# Altium PCB Edison_arduino_5_0826.PcbDoc (part 3 of 6)
Units mm, origin at the board's own origin, x right, y up, seen from the top; angles counter-clockwise.
Board outline 122.25 x 72.01 mm, 4 copper layers (TOP, GND, PWR_GND, BOTTOM), stack 1.567 mm thick; 365 components, 239 nets, 1187 pads, 660 vias.
Unrouted connection lines stored in the file: 40.
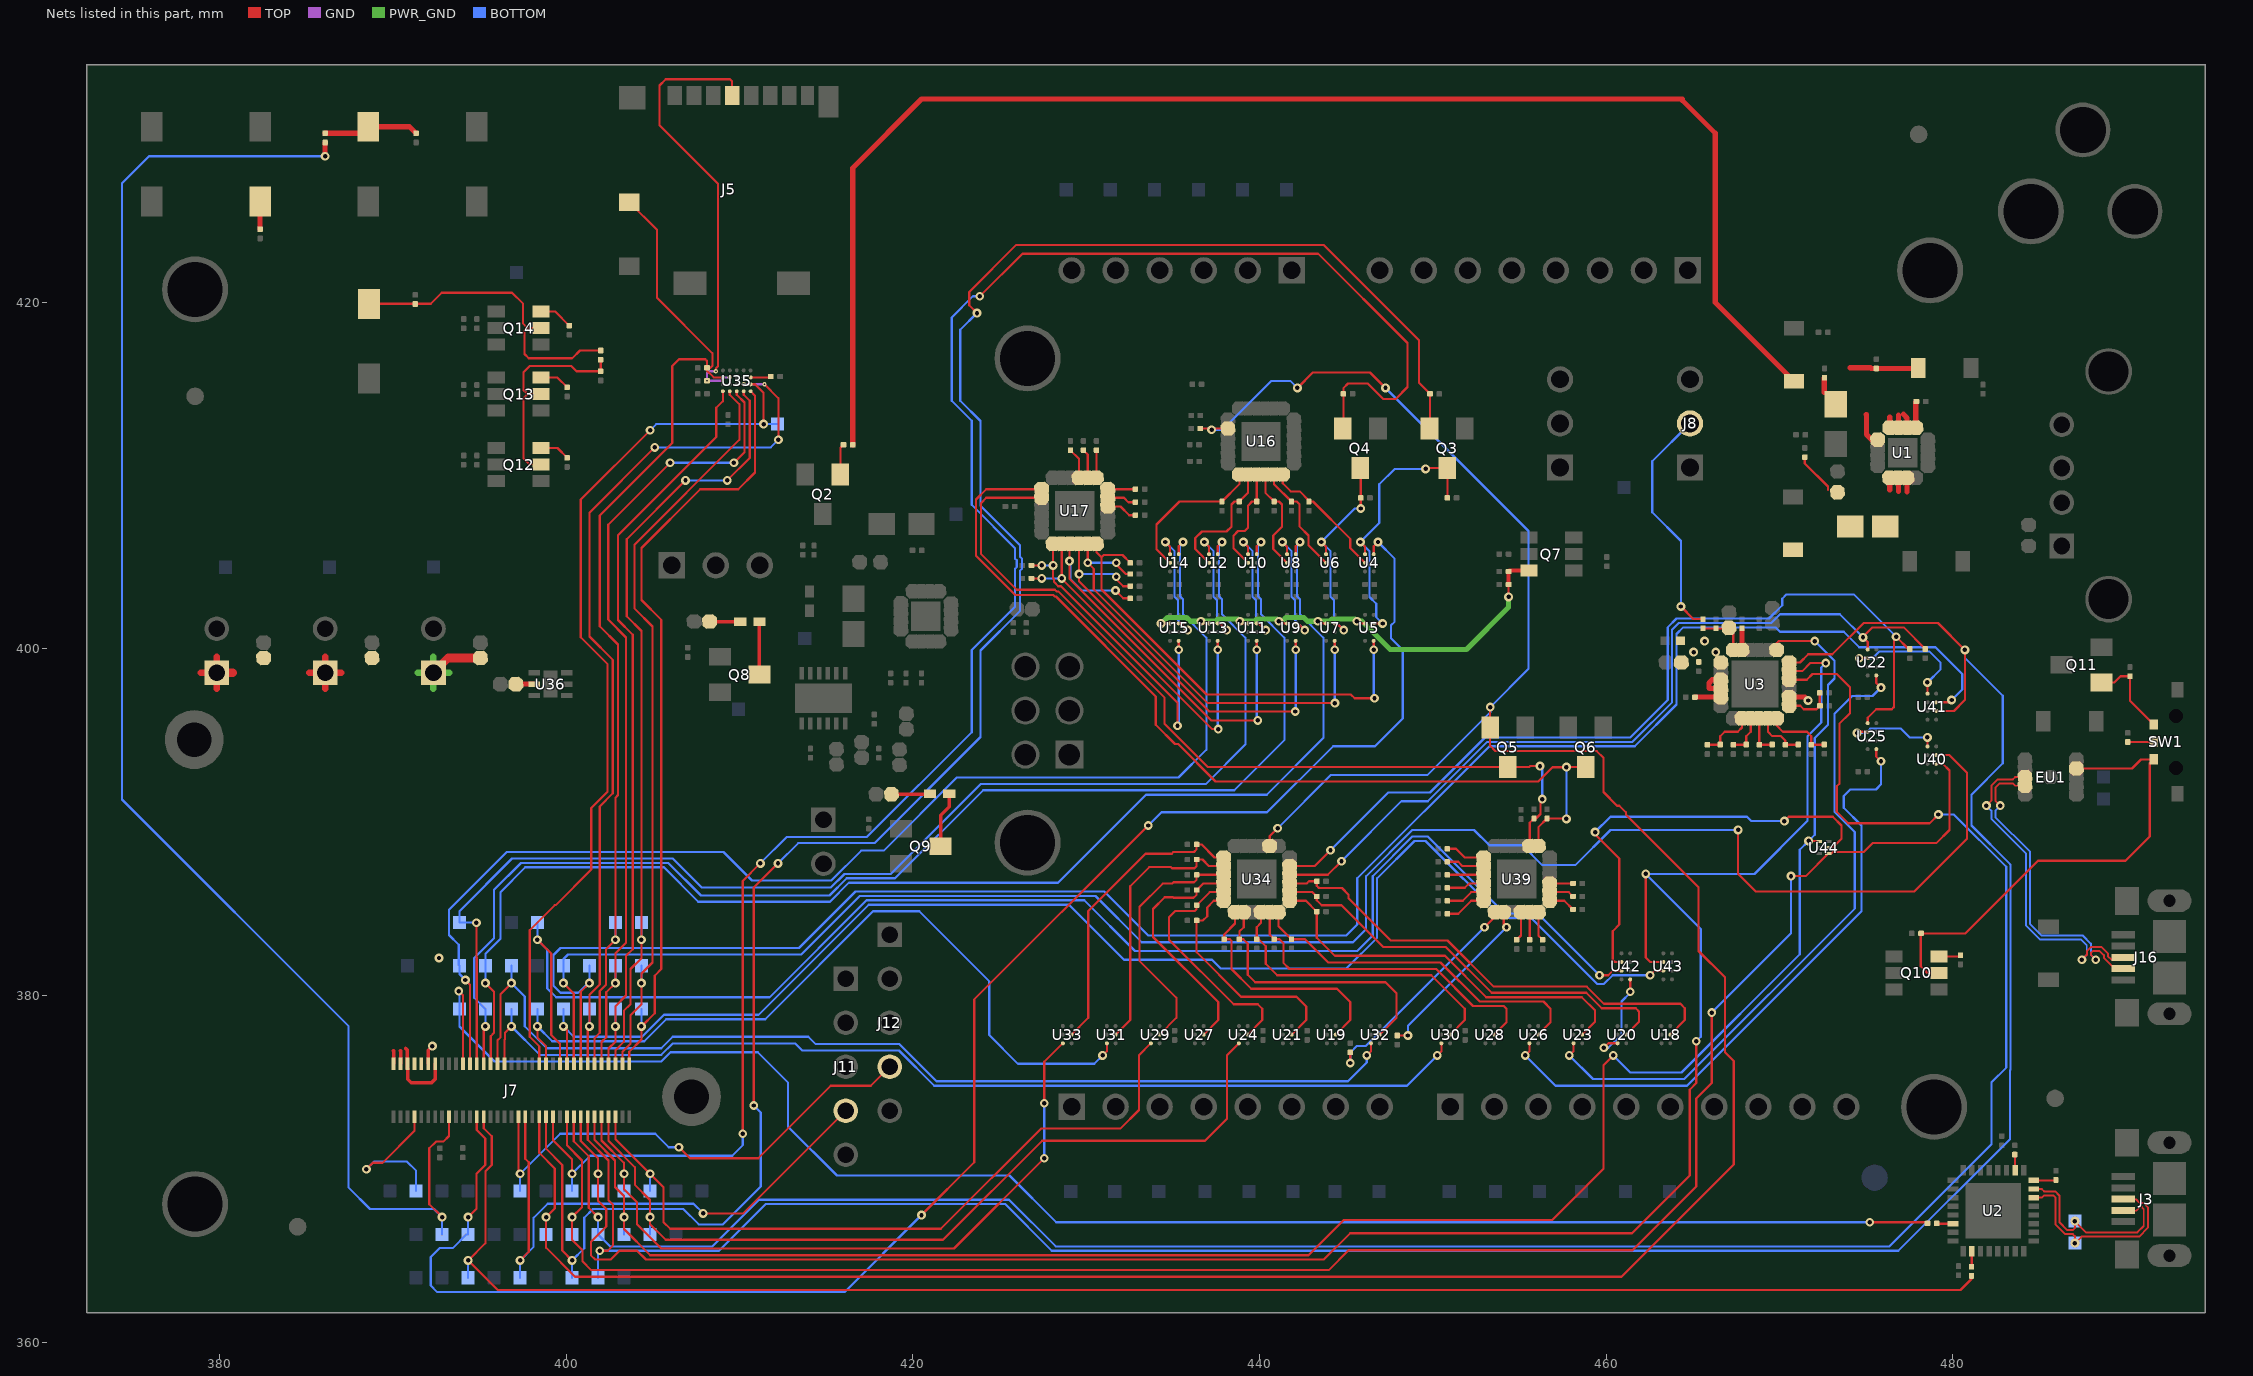
[diagram p5: the nets of this part, all layers, seen from the top]

## Via types
v1: diameter 0.508, hole 0.254, TOP to BOTTOM, 643 vias
v2: diameter 0.254, hole 0.102, TOP to GND, 11 vias
v3: diameter 0.66, hole 0.356, TOP to BOTTOM, 5 vias
v4: diameter 0.483, hole 0.203, TOP to BOTTOM, 1 vias

## Nets (pads, with @x,y where several pads share a name; then routed paths per layer and width w, separated by ;. In a path a pad name is that pad's centre, name@x,y a point inside that pad or via, vN(x,y) a via of type N, cw(c..) or ccw(c..) an arc to the next point about the centre after c; other vN are vias at no path point) (continued)
GP20: J7.43 Q5.2 R43.1 TP38.1 U16.20 U34.20 | length 169.8
  TOP w0.127: J7.43@398.439,373.015 398.439,370.927 399.339,370.027 399.339,367.721 v1(398.839,367.221) 398.839,365.447 400.506,363.78 460.885,363.78 467.362,370.257 467.362,376.226 466.854,376.734 466.854,381.052 465.33,382.576 465.33,386.259 461.139,390.45 461.139,390.577 460.758,390.958 460.631,390.958 459.842,391.747 459.842,393.725 459.461,394.106 453.619,394.106 453.307,394.418 Q5.2@453.307,395.471 453.307,396.516 453.31,396.519 v1(453.31,396.646) ; R43.1@436.589,412.721 437.163,412.721 v1(437.236,412.648) 437.309,412.721 U16.20@438.183,412.721 ; U34.20@440.589,388.627 440.589,389.204 v1(441.046,389.661) ; v1(442.189,415.061) 443.078,415.95 446.38,415.95 v1(447.269,415.061)
  BOTTOM w0.127: TP38.1@398.839,366.221 v1(398.839,367.221) ; v1(437.236,412.648) 437.871,412.648 440.692,415.469 441.781,415.469 v1(442.189,415.061) ; v1(441.046,389.661) 444.121,392.736 449.699,392.736 453.31,396.346 v1(453.31,396.646) 455.524,398.86 455.524,406.806 v1(447.269,415.061)
GP27: J7.45 Q3.2 R39.1 TP40.1 | length 121.9
  TOP w0.127: J7.45@398.839,373.015 398.839,371.162 399.771,370.23 399.771,365.289 v1(400.339,364.721) ; v1(410.82,373.659) 410.82,386.232 v1(412.217,387.629) ; v1(423.699,419.381) 423.25,419.83 423.25,420.598 425.968,423.316 443.687,423.316 449.199,417.805 449.199,415.361 R39.1@449.839,414.721 449.839,412.753 Q3.2@449.807,412.721
  BOTTOM w0.127: TP40.1@400.339,363.721 v1(400.339,364.721) 401.041,365.423 401.041,367.182 401.549,367.69 406.756,367.69 407.645,366.801 409.042,366.801 411.228,368.987 411.228,373.251 v1(410.82,373.659) ; v1(412.217,387.629) 413.387,388.799 417.781,388.799 423.901,394.919 423.901,399.915 426.188,402.203 426.188,402.321 426.189,402.322 426.189,404.522 426.289,404.622 426.289,405.222 426.189,405.322 426.189,405.922 426.188,405.924 426.188,405.973 423.901,408.261 423.901,413.159 422.739,414.321 422.739,418.421 v1(423.699,419.381)
GP28: J7.47 Q4.2 R40.1 TP42.1 | length 113.1
  TOP w0.127: J7.47@399.239,373.015 399.239,371.651 400.339,370.551 v1(400.339,369.721) ; v1(410.185,372.035) 410.185,386.613 v1(411.201,387.629) ; v1(423.864,420.346) 426.326,422.808 443.382,422.808 448.539,417.652 448.539,415.112 447.853,414.426 447.142,414.426 446.253,415.315 445.11,415.315 444.839,415.044 R40.1@444.839,414.721 444.839,412.753 Q4.2@444.807,412.721
  BOTTOM w0.127: TP42.1@400.339,368.721 v1(400.339,369.721) 401.383,370.766 409.577,370.766 410.185,371.373 v1(410.185,372.035) ; v1(411.201,387.629) 412.725,389.153 417.347,389.153 423.393,395.199 423.393,399.936 425.898,402.442 425.898,404.631 425.989,404.722 425.989,405.122 425.898,405.214 425.898,405.814 423.393,408.319 423.393,413.167 422.239,414.321 422.239,419.121 423.463,420.346 v1(423.864,420.346)
GP40: J7.52 TP44.1 U43.B2 | length 80.4
  TOP w0.127: v1(399.839,378.221) 400.039,378.021 J7.52@400.039,376.072 ; v1(462.536,381.179) 462.794,381.437 U43.B2@463.302,381.437
  BOTTOM w0.127: TP44.1@399.839,379.221 v1(399.839,378.221) 400.437,377.623 404.37,377.623 405.64,378.893 411.101,378.893 417.451,385.243 429.008,385.243 432.183,382.068 437.263,382.068 437.771,381.56 445.01,381.56 446.788,383.338 446.788,386.767 448.947,388.926 449.582,388.926 454.027,384.481 455.678,384.481 459.488,380.671 459.869,380.671 460.377,381.179 v1(462.536,381.179)
GP41: J7.54 TP46.1 U40.B2 | length 106.3
  TOP w0.127: v1(399.839,380.721) 400.439,380.121 J7.54@400.439,376.072 ; v1(467.616,389.561) 467.616,387.021 468.632,386.005 477.776,386.005 480.824,389.053 480.824,392.863 479.812,393.875 U40.B2@479.042,393.875
  BOTTOM w0.127: v1(399.839,380.721) TP46.1@399.839,381.721 399.839,382.109 400.101,382.372 413.563,382.372 416.943,385.751 430.532,385.751 433.199,383.084 445.391,383.084 446.153,383.846 446.153,386.894 448.82,389.561 452.376,389.561 453.265,388.672 455.17,388.672 456.313,387.529 458.218,387.529 460.25,389.561 v1(467.616,389.561)
GP42: J7.50 TP43.1 U42.B2 | length 85.6
  TOP w0.127: v1(398.339,383.221) 399.136,382.424 399.136,377.723 399.639,377.22 J7.50@399.639,376.072 ; v1(459.615,381.179) 460.123,381.179 460.381,381.437 U42.B2@460.889,381.437
  BOTTOM w0.127: TP43.1@398.339,384.221 v1(398.339,383.221) 398.91,382.65 398.91,380.416 399.417,379.909 411.736,379.909 417.324,385.497 429.897,385.497 432.818,382.576 445.645,382.576 446.534,383.465 446.534,386.894 448.82,389.18 449.709,389.18 454.154,384.735 456.059,384.735 v1(459.615,381.179)
GP43: J7.56 TP48.1 U41.B2 | length 109.1
  TOP w0.127: J7.56@400.839,376.072 400.839,380.222 v1(401.339,380.721) ; U41.B2@479.042,396.923 479.804,396.923 v1(479.935,397.054)
  BOTTOM w0.127: TP48.1@401.339,381.721 v1(401.339,380.721) 401.245,380.721 400.687,380.163 399.671,380.163 399.267,380.567 399.267,382.349 399.671,382.753 413.436,382.753 416.689,386.005 431.04,386.005 433.58,383.465 445.01,383.465 445.645,384.1 445.645,386.767 453.265,394.387 461.647,394.387 464.06,396.8 464.06,400.864 464.441,401.245 469.775,401.245 470.029,400.991 473.712,400.991 474.601,400.102 479.004,400.102 480.545,398.562 480.545,397.665 v1(479.935,397.054)
GP44: J7.24 TP22.1 U14.C1 | length 71.8
  TOP w0.127: v1(394.183,380.898) 394.439,380.642 J7.24@394.439,376.072 ; U14.C1@435.34,405.472 435.34,405.927 v1(435.585,406.171)
  BOTTOM w0.127: v1(394.183,380.898) 393.839,381.242 TP22.1@393.839,381.721 393.802,381.758 393.802,382.93 393.239,383.493 393.239,384.958 396.572,388.291 409.069,388.291 410.72,386.64 415.292,386.64 417.017,388.366 418.313,388.366 422.529,392.582 435.331,392.582 436.935,394.187 436.935,400.653 435.585,402.004 435.585,402.873 435.41,403.048 435.41,405.996 v1(435.585,406.171)
GP45: J7.26 TP24.1 U12.C1 | length 73.7
  TOP w0.127: v1(394.818,384.2) 394.818,382.242 394.839,382.221 J7.26@394.839,376.072 ; U12.C1@437.59,405.472 437.59,405.927 v1(437.835,406.171)
  BOTTOM w0.127: v1(394.818,384.2) 394.797,384.221 TP24.1@393.839,384.221 393.839,384.872 396.877,387.91 406.148,387.91 407.826,386.232 415.265,386.232 416.054,387.021 418.721,387.021 423.901,392.201 436.899,392.201 439.185,394.487 439.185,400.653 437.835,402.004 437.835,402.873 437.66,403.048 437.66,405.996 v1(437.835,406.171)
GP46: J7.28 TP26.1 U10.C1 | length 74.5
  TOP w0.127: J7.28@395.239,376.072 395.239,378.122 v1(395.339,378.221) ; U10.C1@439.84,405.472 439.84,405.927 v1(440.085,406.171)
  BOTTOM w0.127: v1(395.339,378.221) TP26.1@395.339,379.221 394.691,379.869 394.691,382.168 395.834,383.311 395.834,386.105 397.385,387.656 405.894,387.656 407.775,385.775 415.188,385.775 416.181,386.767 418.975,386.767 424.055,391.847 438.541,391.847 441.435,394.741 441.435,400.653 440.085,402.004 440.085,402.873 439.91,403.048 439.91,405.996 v1(440.085,406.171)
GP47: J7.30 TP28.1 U8.C1 | length 76.2
  TOP w0.127: v1(395.339,380.721) 395.834,380.226 395.834,377.85 395.639,377.656 J7.30@395.639,376.072 ; U8.C1@442.09,405.472 442.09,405.927 v1(442.335,406.171)
  BOTTOM w0.127: v1(395.339,380.721) TP28.1@395.339,381.721 395.339,382.422 396.215,383.298 396.215,385.978 397.639,387.402 405.64,387.402 407.622,385.42 415.214,385.42 416.308,386.513 428.373,386.513 433.453,391.593 440.412,391.593 443.685,394.866 443.685,400.653 442.335,402.004 442.335,402.873 442.16,403.048 442.16,405.996 v1(442.335,406.171)
GP48: J7.32 TP29.1 U32.C1 | length 60.9
  TOP w0.127: J7.32@396.039,376.072 396.039,377.421 396.215,377.596 396.215,380.097 v1(396.839,380.721) ; v1(446.188,376.549) 446.433,376.793 U32.C1@446.433,377.248
  BOTTOM w0.127: TP29.1@396.839,381.721 v1(396.839,380.721) 397.612,379.948 397.612,378.232 398.882,376.961 405.486,376.961 406.148,377.623 413.968,377.623 414.376,377.215 419.202,377.215 421.361,375.056 445.11,375.056 446.188,376.135 v1(446.188,376.549)
GP49: J7.34 TP31.1 U30.C1 | length 60.2
  TOP w0.127: J7.34@396.439,376.072 396.439,377.462 396.469,377.491 396.469,377.851 v1(396.839,378.221) ; v1(450.252,376.549) 450.497,376.793 U30.C1@450.497,377.248
  BOTTOM w0.127: TP31.1@396.839,379.221 v1(396.839,378.221) 398.48,376.58 405.486,376.58 406.148,377.242 413.206,377.242 413.614,376.834 419.202,376.834 421.234,374.802 448.506,374.802 v1(450.252,376.549)
GP77: J5.9 J7.60 R45.2 TP52.1 U35.A3 | length 59.6
  TOP w0.127: J7.60@401.639,376.072 401.639,377.56 401.93,377.85 401.93,380.263 402.302,380.636 402.302,382.685 v1(402.839,383.221) 402.839,391.422 402.989,391.572 402.989,400.26 401.939,401.31 401.939,407.705 406.121,411.886 406.121,416.331 406.502,416.712 408.026,416.712 408.122,416.616 R45.2@408.122,416.221 ; J5.9@403.637,425.778 405.232,424.183 405.232,420.268 408.432,417.068 408.432,416.331 408.322,416.221 R45.2@408.122,416.221 ; U35.A3@409.039,415.672 408.508,415.672 408.122,416.057 R45.2@408.122,416.221
  BOTTOM w0.127: v1(402.839,383.221) TP52.1@402.839,384.221
GP78: J7.58 TP50.1 U35.D2 | length 51.3
  TOP w0.127: J7.58@401.239,376.072 401.239,378.122 v1(401.339,378.221) 401.339,380.053 401.93,380.644 401.93,390.913 402.689,391.672 402.689,399.371 401.339,400.721 401.339,407.867 v1(405.105,411.632) ; v2(411.439,415.271) 412.239,414.471 v1(412.239,412.072)
  GND w0.127: v2(410.239,415.271) v2(411.439,415.271)
  BOTTOM w0.127: v1(401.339,378.221) TP50.1@401.339,379.221 ; v1(405.105,411.632) 411.799,411.632 v1(412.239,412.072)
GP79: J7.62 TP54.1 U35.C1 | length 46.4
  TOP w0.127: J7.62@402.039,376.072 402.039,377.325 402.311,377.596 402.311,380.193 v1(402.839,380.721) 402.839,382.442 403.454,383.057 403.454,400.666 402.422,401.698 402.422,407.171 v1(405.994,410.743) ; v1(409.677,410.743) 410.289,411.356 410.289,414.222 409.839,414.673 U35.C1@409.839,414.871
  BOTTOM w0.127: v1(402.839,380.721) TP54.1@402.839,381.721 ; v1(405.994,410.743) v1(409.677,410.743)
GP80: J7.66 TP58.1 U35.D1 | length 45.3
  TOP w0.127: J7.66@402.839,376.072 402.839,376.855 403.327,377.342 403.327,379.12 403.708,379.501 403.708,381.533 404.339,382.164 v1(404.339,383.221) 404.339,401.033 403.489,401.882 403.489,406.334 v1(406.883,409.727) ; v1(409.296,409.727) 410.589,411.021 410.589,414.322 410.239,414.673 U35.D1@410.239,414.871
  BOTTOM w0.127: v1(404.339,383.221) TP58.1@404.339,384.221 ; v1(406.883,409.727) v1(409.296,409.727)
GP81: J7.70 TP62.1 U35.E1 | length 45.1
  TOP w0.127: J7.70@403.639,376.072 403.639,376.766 404.343,377.469 404.343,378.217 v1(404.339,378.221) 405.105,378.987 405.105,381.152 405.486,381.533 405.486,401.678 404.339,402.825 404.339,405.822 407.736,409.219 409.931,409.219 410.893,410.182 410.893,414.617 U35.E1@410.639,414.871
  BOTTOM w0.127: v1(404.339,378.221) TP62.1@404.339,379.221
GP82: J7.64 TP56.1 U35.A1 | length 43.2
  TOP w0.127: J7.64@402.439,376.072 402.439,376.943 402.839,377.342 v1(402.839,378.221) 402.839,379.394 403.454,380.009 403.454,382.295 403.835,382.676 403.835,400.824 402.989,401.669 402.989,406.562 408.661,412.233 408.661,413.918 409.039,414.296 U35.A1@409.039,414.871
  BOTTOM w0.127: v1(402.839,378.221) TP56.1@402.839,379.221
GP83: J7.68 TP60.1 U35.B1 | length 43.7
  TOP w0.127: J7.68@403.239,376.072 403.239,376.747 403.708,377.215 403.708,378.866 404.339,379.497 v1(404.339,380.721) 404.339,381.275 404.978,381.914 404.978,401.297 403.946,402.329 403.946,406.029 409.989,412.072 409.989,414.122 409.439,414.673 U35.B1@409.439,414.871
  BOTTOM w0.127: v1(404.339,380.721) TP60.1@404.339,381.721
GP84: J7.44 TP87.1 U35.E2 | length 51.2
  TOP w0.127: J7.44@398.439,376.072 398.439,377.072 397.889,377.622 397.889,383.772 399.339,385.222 399.389,385.222 401.439,387.272 401.439,390.822 402.389,391.772 402.389,399.122 400.839,400.672 400.839,408.622 v1(404.839,412.622) ; U35.E2@410.639,415.271 410.891,415.271 411.389,414.773 v1(411.389,412.972)
  BOTTOM w0.127: v1(404.839,412.622) 405.189,412.972 v1(411.389,412.972) TP87.1@412.189,412.972
GP109: J7.55 TP49.1 U3.17 U43.C2 | length 123.3
  TOP w0.127: J7.55@400.839,373.015 400.839,371.611 401.839,370.611 v1(401.839,369.721) 401.839,368.162 402.311,367.69 402.311,366.674 401.422,365.785 401.422,365.023 401.676,364.769 402.565,364.769 403.073,365.277 404.089,365.277 404.597,364.769 443.713,364.769 445.237,366.293 461.493,366.293 464.822,369.622 464.822,374.575 465.203,374.956 v1(465.203,377.369) ; v1(462.282,387.021) 462.282,382.195 462.54,381.937 U43.C2@463.302,381.937 ; U3.17@470.564,398.721 471.315,398.721 471.78,399.186 v1(472.669,399.186)
  BOTTOM w0.127: TP49.1@401.839,368.721 v1(401.839,369.721) ; v1(465.203,377.369) 465.457,377.623 465.457,383.846 v1(462.282,387.021) 468.562,387.021 471.61,390.069 471.61,394.952 472.415,395.757 472.415,398.932 v1(472.669,399.186)
GP110: J7.53 TP47.1 U3.16 | length 132.1
  TOP w0.127: J7.53@400.439,373.015 400.439,371.594 401.295,370.738 401.295,367.765 v1(401.839,367.221) ; U3.16@470.564,398.221 471.577,398.221 471.907,398.551 473.304,398.551 474.066,397.789 474.066,396.292 473.458,395.684 473.458,392.228 473.304,392.074 473.304,390.604 473.966,389.942 478.665,389.942 v1(479.173,390.45)
  BOTTOM w0.127: v1(401.839,367.221) TP47.1@401.839,366.221 402.529,365.531 408.434,365.531 411.128,368.225 425.552,368.225 428.246,365.531 476.352,365.531 482.236,371.416 482.236,374.999 483.083,375.845 483.083,387.429 480.062,390.45 v1(479.173,390.45)
GP111: J7.51 TP45.1 U40.C2 U44.1 | length 111.4
  TOP w0.127: J7.51@400.039,373.015 400.039,371.359 400.914,370.484 400.914,367.796 v1(400.339,367.221) 400.339,365.906 400.941,365.304 400.941,364.669 401.449,364.161 443.994,364.161 445.137,365.304 461.52,365.304 465.203,368.987 465.203,374.067 466.092,374.956 v1(466.092,379.02) ; v1(470.664,386.894) 471.518,386.894 U44.1@472.819,388.195 472.981,388.195 473.077,388.291 474.855,388.291 475.363,388.799 479.046,388.799 479.808,389.561 479.808,392.99 479.423,393.375 U40.C2@479.042,393.375
  BOTTOM w0.127: TP45.1@400.339,366.221 v1(400.339,367.221) ; v1(466.092,379.02) 470.664,383.592 v1(470.664,386.894)
GP114: J7.59 TP53.1 U3.19 U44.4 | length 110.8
  TOP w0.127: J7.59@401.639,373.015 401.639,371.664 402.819,370.484 402.819,368.96 403.339,368.44 v1(403.339,367.221) 403.339,366.535 404.851,365.023 442.824,365.023 444.856,367.055 456.89,367.055 459.842,370.007 459.842,375.978 v1(460.412,376.549) ; U3.19@469.839,399.946 469.839,400.329 469.966,400.456 v1(472.034,400.456) ; v1(471.68,388.926) 472.263,388.926 U44.4@472.294,388.895
  BOTTOM w0.127: TP53.1@403.339,366.221 v1(403.339,367.221) ; v1(460.412,376.549) 461.397,375.564 464.352,375.564 471.172,382.384 471.172,388.418 v1(471.68,388.926) 472.034,389.28 472.034,394.868 472.796,395.63 472.796,397.916 473.177,398.297 473.177,399.313 v1(472.034,400.456)
GP115: J7.57 TP51.1 U3.18 U41.C2 | length 144.2
  TOP w0.127: J7.57@401.239,373.015 401.239,371.683 402.438,370.484 402.438,368.198 402.692,367.944 402.692,365.574 402.395,365.277 v1(401.93,365.277) ; U3.18@470.564,399.221 471.18,399.221 471.653,399.694 473.05,399.694 474.855,401.5 477.903,401.5 479.142,401.499 v1(480.697,399.945) 480.697,397.054 480.066,396.423 U41.C2@479.042,396.423
  BOTTOM w0.127: TP51.1@401.839,363.721 401.839,365.186 v1(401.93,365.277) 408.815,365.277 411.509,367.971 425.325,367.971 428.019,365.277 476.86,365.277 483.309,371.726 483.309,375.712 483.337,375.74 483.337,387.535 483.309,387.563 483.309,387.584 481.078,389.815 481.078,391.593 482.887,393.403 482.887,397.299 480.697,399.489 v1(480.697,399.945)
GP128: J7.65 TP59.1 U29.C1 | length 42.8
  TOP w0.127: J7.65@402.839,373.015 402.839,371.721 v1(404.839,369.721) 405.613,368.947 405.613,366.928 405.994,366.547 421.615,366.547 427.393,372.326 431.965,372.326 433.045,373.405 433.045,376.56 U29.C1@433.733,377.248
  BOTTOM w0.127: TP59.1@404.839,368.721 v1(404.839,369.721)
GP129: J7.63 TP57.1 U24.C1 | length 49.4
  TOP w0.127: J7.63@402.439,373.015 402.439,371.626 403.962,370.103 403.962,369.087 404.839,368.21 v1(404.839,367.221) 404.839,366.813 405.74,365.912 421.742,365.912 427.457,371.627 436.855,371.627 438.125,372.897 438.125,376.56 U24.C1@438.813,377.248
  BOTTOM w0.127: TP57.1@404.839,366.221 v1(404.839,367.221)
GP130: J7.61 TP55.1 U33.C1 | length 41.4
  TOP w0.127: J7.61@402.039,373.015 402.039,371.645 403.327,370.357 403.327,369.733 v1(403.339,369.721) 403.339,368.821 404.089,368.071 404.089,366.801 405.486,365.404 422.377,365.404 v1(427.584,370.611) ; v1(427.584,373.786) 427.584,376.179 U33.C1@428.653,377.248
  BOTTOM w0.127: TP55.1@403.339,368.721 v1(403.339,369.721) ; v1(427.584,370.611) v1(427.584,373.786)
GP131: J7.46 TP39.1 U31.C1 | length 45.9
  TOP w0.127: v1(398.339,378.221) 398.339,377.573 398.839,377.072 J7.46@398.839,376.072 ; v1(430.948,376.549) 431.193,376.793 U31.C1@431.193,377.248
  BOTTOM w0.127: TP39.1@398.339,379.221 v1(398.339,378.221) 399.191,377.369 404.497,377.369 405.767,378.639 411.482,378.639 417.705,384.862 420.368,384.862 424.409,380.821 424.409,377.723 426.06,376.072 430.472,376.072 v1(430.948,376.549)
GP134: J7.22 R7.2 TP20.1 | length 97.7
  TOP w0.127: v1(393.802,380.263) 394.039,380.026 J7.22@394.039,376.072 ; v1(475.213,366.928) 478.476,366.928 R7.2@478.544,366.86
  BOTTOM w0.127: v1(393.802,380.263) 393.839,380.226 TP20.1@393.839,379.221 393.839,378.221 395.861,376.199 405.486,376.199 406.021,376.734 411.047,376.734 412.788,374.993 412.788,372.453 415.619,369.622 425.579,369.622 428.273,366.928 v1(475.213,366.928)
GP135: J7.27 R9.2 TP27.1 | length 97.9
  TOP w0.127: J7.27@395.239,373.015 395.239,372.349 395.707,371.881 395.707,370.23 395.334,369.857 395.334,365.716 v1(394.339,364.721) 396.042,363.018 480.443,363.018 481.078,363.653 R9.2@481.078,363.827
  BOTTOM w0.127: TP27.1@394.339,363.721 v1(394.339,364.721)
GP165: J7.25 TP25.1 U4.C1 | length 99
  TOP w0.127: v1(394.339,367.221) 394.818,367.7 394.818,369.722 395.326,370.23 395.326,371.754 394.839,372.241 J7.25@394.839,373.015 ; v1(420.499,367.336) 423.547,370.384 423.547,379.782 v1(433.58,389.815) ; U4.C1@446.59,405.472 446.59,405.927 v1(446.835,406.171)
  BOTTOM w0.127: v1(394.339,367.221) TP25.1@394.339,366.221 394.238,366.221 393.448,365.431 392.686,365.431 392.178,364.923 392.178,363.272 392.559,362.891 416.054,362.891 v1(420.499,367.336) ; v1(433.58,389.815) 434.342,390.577 440.438,390.577 444.248,394.387 446.661,394.387 448.259,395.986 448.259,399.942 447.587,400.614 447.587,401.367 447.796,401.575 447.796,405.21 v1(446.835,406.171)
GP182_PWM2: J7.37 J12.4 TP35.1 | length 29.4
  TOP w0.127: J7.37@397.239,373.015 397.239,369.821 v1(397.339,369.721) ; v1(406.502,371.246) 407.137,370.611 411.074,370.611 415.265,374.802 417.576,374.802 J12.4@418.668,375.895
  BOTTOM w0.127: TP35.1@397.339,368.721 v1(397.339,369.721) 399.653,372.035 405.132,372.035 405.921,371.246 v1(406.502,371.246)
GP183_PWM3: J7.39 J11.4 TP36.1 | length 33.4
  TOP w0.127: v1(397.339,364.721) 397.839,365.221 397.839,370.384 397.639,370.584 J7.39@397.639,373.015 ; v1(407.899,367.436) 410.21,367.436 J11.4@416.128,373.355
  BOTTOM w0.127: TP36.1@397.339,363.721 v1(397.339,364.721) 398.12,365.502 398.12,367.182 398.932,367.995 407.34,367.995 v1(407.899,367.436)
GPI_PWRBTN_N: J7.17 R49.1 TP17.1 | length 90.4
  TOP w0.127: v1(392.839,367.221) 392.1,367.96 392.1,371.196 392.481,371.577 392.913,371.577 393.239,371.903 J7.17@393.239,373.015
  TOP w0.3: v1(386.089,428.43) R49.1@386.089,429.221
  BOTTOM w0.127: v1(386.089,428.43) 375.929,428.43 374.371,426.872 374.371,391.312 387.445,378.238 387.445,368.922 388.677,367.69 392.37,367.69 v1(392.839,367.221) TP17.1@392.839,366.221
GPI_PWRBTN_N_L: R48.2 R49.2 SW1UI2.1 | length 5.6
  TOP w0.3: R49.2@386.089,429.755 388.213,429.755 SW1UI2.1@388.589,430.13 390.963,430.13 R48.2@391.339,429.755
MSIC_SLPCLK_2: J7.7 TP8.1 | length 9
  TOP w0.127: v1(388.468,369.976) 388.849,370.357 389.407,370.357 391.239,372.189 J7.7@391.239,373.015
  BOTTOM w0.127: v1(388.468,369.976) 388.925,370.434 390.804,370.434 391.339,369.899 TP8.1@391.339,368.721
N11374: J3.2 TP85.1 U2.15 | length 11.4
  TOP w0.112: U2.15@484.682,368.84 485.137,368.84 485.268,368.709 485.906,368.709 486.158,368.458 486.158,366.912 486.596,366.474 486.935,366.474 487.047,366.586 v1@487.047,366.974 ; v1(487.047,366.989) v1@487.047,366.974 ; J3.2@489.833,367.609 490.589,367.587 490.794,367.792 490.906,367.792 491.018,367.68 491.018,366.707 490.65,366.339 487.682,366.339 v1@487.047,366.974
N11378: J3.3 TP86.1 U2.14 | length 12.1
  TOP w0.112: U2.14@484.682,368.34 485.137,368.34 485.268,368.471 485.807,368.471 485.919,368.359 485.919,366.813 486.497,366.235 486.935,366.235 487.047,366.123 v1(487.047,365.719) 487.428,366.1 490.749,366.1 491.257,366.608 491.257,367.779 491.005,368.031 490.794,368.031 490.589,368.237 J3.3@489.833,368.259
N30036849: R8.2 U2.18 | length 0.9
  TOP w0.127: R8.2@483.578,370.827 483.597,370.807 U2.18@483.597,369.925
N30040341: C33.2 J5.4 U35.B3 | length 25.5
  TOP w0.127: v2(408.635,416.027) 408.635,416.179 408.762,416.306 408.762,426.847 405.384,430.225 405.384,432.511 405.74,432.867 409.445,432.867 409.572,432.74 J5.4@409.572,431.928
  GND w0.127: v2(408.635,416.027) 408.249,416.027 408.122,415.9 v2(408.122,415.471) 408.918,415.471 409.118,415.672 v2(409.439,415.672)
N30044742: R46.2 U35.E3 | length 1.2
  TOP w0.127: U35.E3@410.639,415.672 411.755,415.672 R46.2@411.805,415.721
N30057553: U3.3 U3.4 | length 1.7
  TOP w0.3: U3.4@466.614,397.721 465.96,397.721 465.938,397.743 465.938,398.043 466.116,398.221 U3.3@466.614,398.221
N30057571: R10.2 U3.5 | length 1.5
  TOP w0.3: R10.2@465.122,397.221 U3.5@466.614,397.221
N30057573: R11.2 U3.23 | length 1.2
  TOP w0.3: U3.23@467.839,399.946 R11.2@467.839,401.188
N30057609: C11.1 C12.2 FB1.1 U3.1 U3.14 | length 1.2
  TOP w0.3: U3.14@470.564,397.221 471.459,397.221 v1(471.653,397.027)
  other v1: 465.049,399.821 466.319,399.821 465.684,400.456
N30058254: U14.C2 U15.B2 | length 7.1
  TOP w0.127: v1(434.569,406.171) 434.837,405.903 U14.C2@434.837,405.472 ; U15.B2@435.339,401.471 435.476,401.471 v1(435.856,401.091)
  BOTTOM w0.127: v1(434.569,406.171) 435.102,405.638 435.102,402.996 435.305,402.793 435.305,401.642 v1(435.856,401.091)
N30058257: U12.C2 U13.B2 | length 7.1
  TOP w0.127: v1(436.819,406.171) 437.087,405.903 U12.C2@437.087,405.472 ; U13.B2@437.589,401.471 437.726,401.471 v1(438.106,401.091)
  BOTTOM w0.127: v1(436.819,406.171) 437.352,405.638 437.352,402.996 437.555,402.793 437.555,401.642 v1(438.106,401.091)
N30058260: U10.C2 U11.B2 | length 7.1
  TOP w0.127: v1(439.069,406.171) 439.337,405.903 U10.C2@439.337,405.472 ; U11.B2@439.839,401.471 439.976,401.471 v1(440.356,401.091)
  BOTTOM w0.127: v1(439.069,406.171) 439.602,405.638 439.602,402.996 439.805,402.793 439.805,401.642 v1(440.356,401.091)
N30058263: U8.C2 U9.B2 | length 7.1
  TOP w0.127: v1(441.319,406.171) 441.587,405.903 U8.C2@441.587,405.472 ; U9.B2@442.089,401.471 442.226,401.471 v1(442.606,401.091)
  BOTTOM w0.127: v1(441.319,406.171) 441.852,405.638 441.852,402.996 442.055,402.793 442.055,401.642 v1(442.606,401.091)
N30058266: Q4.3 R42.1 U6.C2 U7.B2 | length 12.5
  TOP w0.127: v1(443.569,406.171) 443.837,405.903 U6.C2@443.837,405.472 ; U7.B2@444.339,401.471 444.476,401.471 v1(444.856,401.091) ; Q4.3@445.823,410.435 445.839,410.419 R42.1@445.839,408.721 v1(445.839,408.106)
  BOTTOM w0.127: v1(444.856,401.091) 444.305,401.642 444.305,402.793 444.102,402.996 444.102,405.638 v1(443.569,406.171) 445.504,408.106 v1(445.839,408.106)
N30058269: Q3.3 R41.1 U4.C2 U5.B2 | length 16.4
  TOP w0.127: v1(445.819,406.171) 446.087,405.903 U4.C2@446.087,405.472 ; U5.B2@446.589,401.471 v1(447.103,401.471) ; v1(449.582,410.389) 449.628,410.435 Q3.3@450.823,410.435 450.839,410.419 R41.1@450.839,408.721
  BOTTOM w0.127: v1(447.103,401.471) 446.735,401.839 446.735,402.613 446.352,402.996 446.352,405.638 v1(445.819,406.171) 446.915,407.267 446.915,409.5 447.804,410.389 v1(449.582,410.389)
N30061760: R116.1 U15.D2 U17.1 | length 21
  TOP w0.127: R116.1@426.839,404.822 v1(427.439,404.822) ; v1(428.089,404.822) U17.1@428.089,406.065 ; U17.1@428.089,406.066 428.089,404.077 428.139,404.026 428.139,403.872 428.389,403.622 428.543,403.622 435.268,396.898 v1(435.268,395.567) ; v1(435.339,399.957) U15.D2@435.339,400.471
  BOTTOM w0.127: v1(427.439,404.822) v1(428.089,404.822) ; v1(435.268,395.567) 435.339,395.638 v1(435.339,399.957)
N30061775: R117.1 U13.D2 U17.2 | length 21.5
  TOP w0.127: R117.1@426.839,404.072 v1(427.439,404.072) ; U17.2@428.589,406.066 v1(428.589,404.072) 428.589,404.055 437.267,395.377 v1(437.617,395.377) ; v1(437.589,399.957) U13.D2@437.589,400.471
  BOTTOM w0.127: v1(427.439,404.072) v1(428.589,404.072) ; v1(437.589,399.957) 437.589,395.405 v1(437.617,395.377)
N30061790: R118.1 U11.D2 U17.3 | length 25.9
  TOP w0.127: U17.3@429.089,406.066 429.039,406.017 v1(429.039,405.072) 429.039,404.048 437.211,395.877 v1(439.903,395.877) ; v1(431.689,403.372) 432.139,402.922 R118.1@432.539,402.922 ; v1(439.839,399.957) U11.D2@439.839,400.471
  BOTTOM w0.127: v1(429.039,405.072) 429.039,404.872 429.089,404.822 429.089,404.022 429.739,403.372 v1(431.689,403.372) ; v1(439.839,399.957) 439.839,395.941 v1(439.903,395.877)
N30061799: R119.1 U9.D2 U17.4 | length 25.2
  TOP w0.127: U17.4@429.589,406.066 v1(429.589,404.322) 429.589,403.909 437.105,396.392 v1(442.062,396.392) ; v1(431.739,404.172) 431.739,404.022 432.139,403.622 R119.1@432.539,403.622 ; v1(442.089,399.957) U9.D2@442.089,400.471
  BOTTOM w0.127: v1(429.589,404.322) 431.589,404.322 v1(431.739,404.172) ; v1(442.062,396.392) 442.089,396.419 v1(442.089,399.957)
N30061855: R120.1 U7.D2 U17.5 | length 25.8
  TOP w0.127: U17.5@430.089,406.066 v1(430.089,404.972) 430.439,404.622 430.439,403.451 437.013,396.877 v1(444.348,396.877) ; v1(431.739,404.972) 431.739,404.872 432.289,404.322 R120.1@432.539,404.322 ; v1(444.339,399.957) U7.D2@444.339,400.471
  BOTTOM w0.127: v1(430.089,404.972) v1(431.739,404.972) ; v1(444.339,399.957) 444.339,396.886 v1(444.348,396.877)
N30061867: R121.1 U5.D2 U17.6 | length 26.3
  TOP w0.127: U17.6@430.589,406.066 430.589,405.595 430.889,405.295 ; R121.1@432.539,404.972 432.089,405.422 431.016,405.422 430.889,405.295 ; v1(446.589,399.957) U5.D2@446.589,400.471 ; v1(446.634,397.154) 445.491,397.154 445.268,397.377 436.943,397.377 430.889,403.431 430.889,405.295
  BOTTOM w0.127: v1(446.589,399.957) 446.589,397.199 v1(446.634,397.154)
N30061915: R18.2 U4.B2 U16.6 | length 7.5
  TOP w0.127: U16.6@441.339,410.066 441.339,409.561 441.808,409.092 442.316,409.092 442.851,408.557 R18.2@442.851,408.505 443.084,408.505 445.237,406.352 445.237,405.822 U4.B2@446.087,404.971
N30061925: R17.2 U6.B2 U16.5 | length 6.5
  TOP w0.127: U16.5@440.839,410.066 440.839,409.513 R17.2@441.847,408.505 442.141,408.505 442.316,408.33 442.316,407.06 442.824,406.552 442.824,405.985 U6.B2@443.837,404.971
N30061937: R16.2 U8.B2 U16.4 | length 6.2
  TOP w0.127: U16.4@440.339,410.066 440.339,409.009 R16.2@440.843,408.505 441.125,408.505 441.3,408.33 441.3,407.06 440.792,406.552 440.792,405.767 U8.B2@441.587,404.971
N30061944: R15.2 U10.B2 U16.3 | length 6.4
  TOP w0.127: U10.B2@439.337,404.971 438.506,405.803 438.506,406.552 438.76,406.806 439.141,406.806 439.344,407.01 439.344,408.28 439.569,408.505 R15.2@439.839,408.505 U16.3@439.839,410.066
N30061956: R14.2 U12.B2 U16.2 | length 7.7
  TOP w0.127: U12.B2@437.087,404.971 436.296,405.763 436.296,406.4 436.677,406.781 438.099,406.781 438.379,407.06 438.379,408.33 438.553,408.505 R14.2@438.835,408.505 439.339,409.009 U16.2@439.339,410.066
N30061963: R13.2 U14.B2 U16.1 | length 8.8
  TOP w0.127: U14.B2@434.837,404.971 434.061,405.748 434.061,407.187 435.378,408.505 R13.2@437.831,408.505 438.839,409.513 U16.1@438.839,410.066
N30062261: Q7.6 R12.2 R34.2 U5.B1 U7.B1 U9.B1 U11.B1 U13.B1 U15.B1 | length 28.8
  TOP w0.127: v1(434.325,401.471) U15.B1@434.839,401.471 ; v1(436.618,401.599) 436.746,401.471 U13.B1@437.089,401.471 ; v1(438.868,401.599) 438.996,401.471 U11.B1@439.339,401.471 ; v1(441.118,401.599) 441.246,401.471 U9.B1@441.589,401.471 ; v1(443.368,401.599) 443.496,401.471 U7.B1@443.839,401.471 ; v1(445.618,401.599) 445.746,401.471 U5.B1@446.089,401.471 ; v1(454.372,403.005) R34.2@454.372,403.721
  TOP w0.23: R34.2@454.372,403.721 R12.2@454.372,404.471 454.422,404.521 Q7.6@455.544,404.521
  PWR_GND w0.3: v1(434.325,401.471) 434.338,401.471 434.689,401.822 435.789,401.822 436.012,401.599 v1(436.618,401.599) 437.466,401.599 437.589,401.722 438.745,401.722 v1(438.868,401.599) 439.716,401.599 439.839,401.722 440.995,401.722 v1(441.118,401.599) 441.316,401.599 441.529,401.812 442.55,401.812 442.762,401.599 v1(443.368,401.599) 444.066,401.599 444.189,401.722 445.495,401.722 v1(445.618,401.599) 445.912,401.599 447.539,399.972 451.939,399.972 454.372,402.405 v1(454.372,403.005)
N30066642: R20.2 U33.B2 U34.1 | length 17.4
  TOP w0.127: U33.B2@429.156,377.749 430.124,378.717 430.124,384.886 433.426,388.188 434.935,388.188 435.039,388.293 435.981,388.293 435.984,388.29 436.22,388.29 436.372,388.442 R20.2@436.372,388.725 436.648,388.725 437.402,387.971 U34.1@437.933,387.971
N30066644: R21.2 U31.B2 U34.2 | length 15.4
  TOP w0.127: U31.B2@431.696,377.749 432.537,378.59 432.537,386.309 433.643,387.415 434.891,387.415 434.956,387.35 436.245,387.35 436.372,387.477 R21.2@436.372,387.848 436.712,387.848 437.089,387.471 U34.2@437.933,387.471
N30066646: R22.2 U29.B2 U34.3 | length 14.4
  TOP w0.127: U29.B2@434.236,377.749 435.204,378.717 435.204,379.882 433.07,382.016 433.07,385.115 434.416,386.461 434.961,386.461 435.039,386.539 436.221,386.539 436.372,386.69 R22.2@436.372,386.971 U34.3@437.933,386.971
N30066648: R23.2 U27.B2 U34.4 | length 14
  TOP w0.127: U27.B2@436.776,377.749 437.617,378.59 437.617,379.628 433.857,383.388 433.857,384.996 434.536,385.674 435.016,385.674 435.039,385.65 436.196,385.65 436.372,385.826 R23.2@436.372,386.094 436.749,386.471 U34.4@437.933,386.471
N30066650: R24.2 U24.B2 U34.5 | length 14
  TOP w0.127: U34.5@437.933,385.971 437.126,385.971 R24.2@436.372,385.217 436.372,385.002 436.245,384.875 435.129,384.875 434.779,384.525 434.779,383.228 438.506,379.501 439.903,379.501 440.157,379.247 440.157,378.59 U24.B2@439.316,377.749
N30066652: R26.2 U21.B2 U34.6 | length 13.8
  TOP w0.127: U34.6@437.933,385.471 437.364,385.471 436.982,385.089 436.982,384.581 436.741,384.34 R26.2@436.372,384.34 436.372,382.499 438.937,379.933 442.138,379.933 442.697,379.374 442.697,378.59 U21.B2@441.856,377.749
N30067494: R28.2 U19.B2 U34.7 | length 13.8
  TOP w0.127: U34.7@438.589,384.816 438.589,384.156 437.962,383.529 R28.2@437.962,383.255 438.283,383.255 438.379,383.159 438.379,381.533 439.522,380.39 444.475,380.39 445.237,379.628 445.237,378.59 U19.B2@444.396,377.749
N30068975: R33.2 U32.B2 U34.8 | length 15.9
  TOP w0.127: U34.8@439.089,384.816 439.089,383.946 438.839,383.696 R33.2@438.839,383.255 439.07,383.255 439.318,383.007 439.318,381.203 439.75,380.771 447.269,380.771 447.904,380.136 447.904,378.717 U32.B2@446.936,377.749
N30069156: R32.2 U30.B2 U34.10 | length 17.8
  TOP w0.127: U34.10@440.089,384.816 440.089,384.2 439.839,383.95 R32.2@439.839,383.255 439.959,383.255 440.36,382.854 440.36,381.838 441.02,381.178 449.91,381.178 451.841,379.247 451.841,378.59 U30.B2@451,377.749
N30069185: R31.2 U28.B2 U34.11 | length 19.2
  TOP w0.127: U34.11@440.589,384.816 440.589,383.509 R31.2@440.843,383.255 441.153,383.255 441.376,383.032 441.376,381.889 441.731,381.533 450.19,381.533 452.322,379.401 454.1,379.401 454.254,379.247 454.254,378.463 U28.B2@453.54,377.749
N30069197: R30.2 U26.B2 U34.12 | length 20.3
  TOP w0.127: U34.12@441.089,384.816 441.089,384.013 R30.2@441.847,383.255 442.626,383.255 443.967,381.914 450.444,381.914 452.703,379.655 456.386,379.655 456.794,379.247 456.794,378.463 U26.B2@456.08,377.749
N30069235: R29.2 U23.B2 U34.13 | length 22.8
  TOP w0.127: U34.13@441.744,385.471 442.678,385.471 R29.2@443.305,384.844 443.305,383.338 444.348,382.295 450.698,382.295 453.084,379.909 458.599,379.909 459.361,379.147 459.361,378.489 U23.B2@458.62,377.749
N30069271: R27.2 U20.B2 U34.14 | length 24.8
  TOP w0.127: U34.14@441.744,385.971 443.055,385.971 R27.2@443.305,385.721 443.305,385.497 443.586,385.216 444.729,385.216 447.142,382.803 450.752,382.803 453.392,380.163 458.853,380.163 459.742,379.274 461.707,379.274 461.849,379.133 461.849,379.126 461.901,379.074 461.901,378.489 U20.B2@461.16,377.749
N30069280: R25.2 U18.B2 U34.15 | length 28
  TOP w0.127: U34.15@441.744,386.471 442.722,386.471 442.849,386.598 R25.2@443.305,386.598 443.305,386.334 443.432,386.207 444.754,386.207 445.137,385.824 445.137,385.624 447.577,383.184 450.852,383.184 453.519,380.517 458.88,380.517 459.869,379.528 464.287,379.528 464.541,379.274 464.541,378.59 U18.B2@463.7,377.749
N30070866: U22.A1 U23.C1 | length 37.8
  TOP w0.127: v1(457.872,376.549) 458.117,376.793 U23.C1@458.117,377.248 ; U22.A1@475.589,398.471 475.589,398.04 v1(475.857,397.772)
  BOTTOM w0.127: v1(457.872,376.549) 459.238,375.183 464.51,375.183 474.347,385.02 474.347,389.434 473.177,390.604 473.177,396.265 474.193,397.281 475.367,397.281 v1(475.857,397.772)
N30070870: U25.A1 U26.C1 | length 36.7
  TOP w0.127: v1(455.332,376.549) 455.577,376.793 U26.C1@455.577,377.248 ; U25.A1@475.589,394.221 475.589,393.79 v1(475.857,393.522)
  BOTTOM w0.127: v1(455.332,376.549) 457.079,374.802 464.668,374.802 474.728,384.862 474.728,389.815 473.712,390.831 473.712,391.516 474.093,391.897 475.564,391.897 475.857,392.189 v1(475.857,393.522)
N30103916: J8.2 R72.1 | length 13.7
  TOP w0.127: v1(464.314,402.452) 465.044,401.721 R72.1@465.589,401.721
  BOTTOM w0.127: v1(464.314,402.452) 464.314,406.231 462.663,407.882 462.663,410.835 J8.2@464.839,413.011
N30104433: C46.1 R72.2 R73.2 U3.24 | length 2.9
  TOP w0.127: R72.2@465.589,401.188 R73.2@466.339,401.188 467.055,401.188 C46.1@467.089,401.221 467.339,400.971 U3.24@467.339,399.946
N30112835: R38.1 U36.2 | length 1.1
  TOP w0.3: R38.1@397.089,397.971 U36.2@398.158,397.971
N30116209: Q6.3 R51.1 U17.19 U39.19 | length 55.1
  TOP w0.127: U17.19@427.433,409.221 424.238,409.221 423.639,408.622 423.639,405.372 425.889,403.122 428.089,403.122 428.189,403.022 428.256,403.022 434.015,397.263 434.015,395.623 435.124,394.514 435.304,394.514 437.463,392.355 456.086,392.355 456.911,393.18 v1(457.71,393.18) ; U39.19@456.089,388.627 456.089,389.721 R51.1@456.589,390.221 457.685,390.221 v1(457.71,390.196) ; v1(457.715,393.185) Q6.3@458.823,393.185
  BOTTOM w0.127: v1(457.71,390.196) v1(457.71,393.18) v1(457.715,393.185)
N30116224: Q5.3 R50.1 U17.20 U39.20 | length 49.8
  TOP w0.127: U17.20@427.433,408.721 424.238,408.721 423.939,408.422 423.939,405.472 425.989,403.422 428.189,403.422 428.289,403.322 428.383,403.322 434.526,397.179 434.526,395.673 437.014,393.185 Q5.3@454.323,393.185 455.556,393.185 455.615,393.244 v1(456.186,393.244) ; U39.20@455.589,388.627 455.589,389.971 R50.1@455.839,390.221 455.957,390.221 456.214,390.479 456.214,391.241 v1(456.313,391.339)
  BOTTOM w0.127: v1(456.186,393.244) 456.313,393.117 v1(456.313,391.339)
N30125838: R7.1 U2.30 | length 0.9
  TOP w0.127: R7.1@479.078,366.86 479.097,366.841 U2.30@480.013,366.841
N30125857: R9.1 U2.2 | length 0.9
  TOP w0.127: R9.1@481.078,364.36 481.098,364.381 U2.2@481.098,365.256
N30126826: R47.1 SW1UI3.2 | length 1.6
  TOP w0.3: R47.1@382.339,424.221 SW1UI3.2@382.339,425.812
N30126876: J7.2 J7.4 J7.6 J7.14 J10.1 R84.2 | length 9.6
  TOP w0.2: 390.03,376.82 390.039,376.811 J7.2@390.039,376.072 ; 390.431,376.816 390.439,376.807 J7.4@390.439,376.072 ; 390.726,376.963 390.839,376.85 J7.6@390.839,376.072
  TOP w0.203: J7.6@390.839,376.072 390.839,375.818 390.847,375.81 390.847,375.175 391.051,374.971 392.228,374.971 392.431,375.175 392.431,375.81 392.439,375.818 J7.14@392.439,376.072
  TOP w0.381: 378.924,398.631 J10.1@379.839,398.631 ; 379.839,397.717 J10.1@379.839,398.631 ; 379.839,399.546 J10.1@379.839,398.631
  TOP w0.5: J10.1@379.839,398.631 380.753,398.631
N30126894: J7.8 J7.10 J14.1 R83.2 | length 3.7
  TOP w0.381: 385.174,398.631 J14.1@386.089,398.631 ; 386.089,397.717 J14.1@386.089,398.631 ; 386.089,399.546 J14.1@386.089,398.631 ; 387.003,398.631 J14.1@386.089,398.631
N30126899: J7.12 J15.1 R82.2 | length 7.8
  TOP w0.2: J7.12@392.039,376.072 392.039,376.85 v1(392.278,377.088)
  TOP w0.5: J15.1@392.339,398.631 393.183,399.476 R82.2@395.046,399.476
  PWR_GND w0.381: 391.424,398.631 J15.1@392.339,398.631 ; 392.339,397.717 J15.1@392.339,398.631 ; 392.339,399.546 J15.1@392.339,398.631 ; 393.253,398.631 J15.1@392.339,398.631
  other v1: 392.659,382.168
N30153200: R110.2 U25.D2 U34.17 | length 52.4
  TOP w0.127: U34.17@441.744,387.471 443.174,387.471 v1(444.094,388.391) ; U25.D2@475.089,395.721 475.089,396.026 475.584,396.521 476.479,396.521 476.606,396.648 476.606,400.583 v1(476.733,400.71) 477.442,400.001 R110.2@477.522,400.001
  BOTTOM w0.127: v1(444.094,388.391) 447.423,391.72 449.836,391.72 453.011,394.895 461.393,394.895 463.552,397.054 463.552,401.245 464.06,401.753 469.394,401.753 470.156,402.515 470.156,402.896 470.41,403.15 474.293,403.15 v1(476.733,400.71)
N30154037: R52.1 U17.10 | length 1.8
  TOP w0.127: U17.10@431.244,408.221 431.978,408.221 432.478,407.721 R52.1@432.839,407.721
N30154081: R53.1 U17.11 | length 1.7
  TOP w0.127: U17.11@431.244,408.721 432.185,408.721 432.435,408.471 R53.1@432.839,408.471
N30154121: R54.1 U17.12 | length 1.6
  TOP w0.127: U17.12@431.244,409.221 R54.1@432.839,409.221
N30154162: R55.1 U17.13 | length 1.6
  TOP w0.127: U17.13@430.589,409.877 R55.1@430.589,411.471
N30154204: R56.1 U17.14 | length 1.7
  TOP w0.127: R56.1@429.839,411.471 430.089,411.221 U17.14@430.089,409.877
N30154247: R57.1 U17.15 | length 1.8
  TOP w0.127: R57.1@429.089,411.471 429.589,410.971 U17.15@429.589,409.877
N30156263: R58.1 U39.10 | length 1.7
  TOP w0.127: R58.1@454.839,383.221 455.089,383.471 U39.10@455.089,384.816
N30156279: R59.1 U39.11 | length 1.6
  TOP w0.127: R59.1@455.589,383.221 U39.11@455.589,384.816
N30156284: R60.1 U39.12 | length 1.7
  TOP w0.127: U39.12@456.089,384.816 456.089,383.471 R60.1@456.339,383.221
N30156311: R61.1 U39.13 | length 1.6
  TOP w0.127: U39.13@456.744,385.471 457.589,385.471 R61.1@458.089,384.971
N30156316: R62.1 U39.14 | length 1.4
  TOP w0.127: U39.14@456.744,385.971 457.839,385.971 R62.1@458.089,385.721
N30156332: R63.1 U39.15 | length 1.3
  TOP w0.127: U39.15@456.744,386.471 R63.1@458.089,386.471
N30156954: R64.1 U39.1 | length 2.3
  TOP w0.127: R64.1@450.839,388.471 451.341,388.471 451.841,387.971 U39.1@452.933,387.971
N30156970: R65.1 U39.2 | length 2.2
  TOP w0.127: R65.1@450.839,387.721 451.464,387.721 451.714,387.471 U39.2@452.933,387.471
N30156975: R66.1 U39.3 | length 2.1
  TOP w0.127: R66.1@450.839,386.971 U39.3@452.933,386.971
N30157002: R67.1 U39.4 | length 2.2
  TOP w0.127: R67.1@450.839,386.221 451.845,386.221 452.095,386.471 U39.4@452.933,386.471
N30157007: R68.1 U39.5 | length 2.3
  TOP w0.127: R68.1@450.839,385.471 451.722,385.471 452.222,385.971 U39.5@452.933,385.971
N30157023: R69.1 U39.6 | length 2.4
  TOP w0.127: R69.1@450.839,384.721 451.472,384.721 452.222,385.471 U39.6@452.933,385.471
N30157147: R70.1 U39.7 | length 13.1
  TOP w0.127: v1(445.239,376.11) R70.1@445.239,376.725 ; v1(452.984,383.946) 453.589,384.551 U39.7@453.589,384.816
  BOTTOM w0.127: v1(445.239,376.11) 445.239,376.709 445.618,377.088 446.126,377.088 v1(452.984,383.946)
N30157152: R71.1 U39.8 | length 10.2
  TOP w0.127: R71.1@447.949,377.701 v1(448.564,377.701) ; U39.8@454.089,384.816 454.089,384.111 v1(454.254,383.946)
  BOTTOM w0.127: v1(448.564,377.701) 448.564,378.256 v1(454.254,383.946)
N30158305: C40.1 R74.1 U3.13 | length 2.7
  TOP w0.127: U3.13@470.564,396.721 471.197,396.721 471.399,396.519 472.137,396.519 R74.1@472.339,396.721 472.322,396.738 C40.1@472.322,397.471
N30158329: C41.1 R75.1 U3.12 | length 3.9
  TOP w0.127: U3.12@469.839,395.996 469.839,395.581 470.198,395.221 471.589,395.221 471.839,394.971 R75.1@471.839,394.471 472.572,394.471 C41.1@472.589,394.488
N30158362: C42.1 R76.1 U3.11 | length 3
  TOP w0.127: U3.11@469.339,395.996 469.339,395.221 469.589,394.971 470.089,394.971 470.339,394.721 R76.1@470.339,394.471 471.072,394.471 C42.1@471.089,394.488
N30158364: C43.1 R77.1 U3.10 | length 2.3
  TOP w0.127: U3.10@468.839,395.996 R77.1@468.839,394.471 469.572,394.471 C43.1@469.589,394.488
N30158410: C44.1 R78.1 U3.9 | length 2.4
  TOP w0.127: R78.1@467.339,394.471 468.072,394.471 C44.1@468.089,394.488 468.089,394.971 468.339,395.221 U3.9@468.339,395.996
N30158412: C45.1 R79.1 U3.8 | length 3.2
  TOP w0.127: R79.1@465.839,394.471 466.572,394.471 C45.1@466.589,394.488 466.589,394.971 466.839,395.221 467.589,395.221 467.839,395.471 U3.8@467.839,395.996
N30173574: R109.2 U22.D2 U34.16 | length 47.5
  TOP w0.127: U34.16@441.744,386.971 443.944,386.971 v1(444.729,387.756) ; U22.D2@475.089,399.971 475.089,400.403 v1(474.82,400.671) 474.82,400.703 475.363,401.245 477.166,401.245 R109.2@478.411,400.001
  BOTTOM w0.127: v1(444.729,387.756) 448.185,391.212 449.709,391.212 453.138,394.641 461.52,394.641 463.806,396.927 463.806,401.118 464.187,401.499 469.521,401.499 470.029,402.007 473.484,402.007 v1(474.82,400.671)
N30202561: DS1.1 Q8.3 | length 3
  TOP w0.2: Q8.3@411.15,398.526 DS1.1@411.15,401.574
N30202678: DS1.2 R86.1 | length 1.8
  TOP w0.2: R86.1@408.275,401.579 410.034,401.579 DS1.2@410.039,401.574
N30202793: DS2.1 Q9.3 | length 3.2
  TOP w0.2: Q9.3@421.597,388.62 421.597,390.406 422.097,390.906 DS2.1@422.097,391.643
N30202823: DS2.2 R88.1 | length 2.2
  TOP w0.2: R88.1@418.77,391.617 420.961,391.617 DS2.2@420.986,391.643
N30230113: C48.2 U2.16 | length 1.3
  TOP w0.127: U2.16@484.682,369.341 485.931,369.341 C48.2@485.953,369.362
N30245034: EU1.3 J16.3 | length 19.5
  TOP w0.112: v1(481.942,390.961) 482.223,391.242 482.223,392.104 482.598,392.479 483.47,392.479 483.601,392.609 EU1.3@484.17,392.609 ; v1(487.451,382.068) 487.732,382.35 487.732,382.561 487.984,382.812 488.571,382.812 488.952,382.431 488.952,382.279 489.162,382.068 489.69,382.068 J16.3@489.833,382.211
  BOTTOM w0.112: v1(481.942,390.961) 482.223,390.679 482.223,390.194 484.226,388.191 484.226,384.03 485.016,383.239 487.386,383.239 487.729,382.896 487.729,382.347 v1(487.451,382.068)
N30246500: EU1.4 J16.2 | length 18.7
  TOP w0.112: v1(482.743,390.961) 482.462,391.242 482.462,392.005 482.697,392.24 483.47,392.24 483.601,392.11 EU1.4@484.17,392.11 ; v1(488.252,382.068) 487.971,382.35 487.971,382.462 488.083,382.573 488.472,382.573 488.713,382.332 488.713,382.18 489.206,381.687 489.707,381.687 J16.2@489.833,381.561
  BOTTOM w0.112: v1(482.743,390.961) 482.462,390.679 482.462,390.293 484.464,388.29 484.464,384.129 485.115,383.478 487.485,383.478 487.968,382.995 487.968,382.353 v1(488.252,382.068)
N30246922: EU1.9 Q10.5 R95.2 SW1.1 | length 27.8
  TOP w0.127: Q10.5@479.198,381.306 478.538,381.306 478.157,381.687 478.157,383.58 R95.2@478.169,383.592 480.731,383.592 484.922,387.783 489.968,387.783 491.365,389.18 491.365,393.407 SW1.1@491.583,393.625 ; EU1.9@487.129,393.109 490.34,393.109 490.857,393.625 SW1.1@491.583,393.625 ; SW1.1@491.599,393.641 SW1.1@491.583,393.625
N30246940: Q10.6 R96.2 | length 1.3
  TOP w0.127: Q10.6@479.198,382.256 480.364,382.256 R96.2@480.443,382.335
N30255447: R97.1 SW1.C | length 1.5
  TOP w0.127: R97.1@490.095,394.629 490.107,394.641 SW1.C@491.599,394.641
N30255937: Q11.1 R98.2 SW1.2 | length 5.2
  TOP w0.127: Q11.1@488.571,398.068 489.313,398.068 489.671,398.427 R98.2@490.221,398.427 ; R98.2@490.222,398.426 490.222,397.018 SW1.2@491.599,395.641
N30257530: Q12.6 R100.2 | length 1.7
  TOP w0.127: Q12.6@398.553,411.593 399.495,411.593 R100.2@400.052,411.037
N30257590: Q13.6 R102.2 | length 1.7
  TOP w0.127: Q13.6@398.553,415.657 399.495,415.657 R102.2@400.052,415.101
N30257808: Q14.6 R104.2 | length 2
  TOP w0.127: Q14.6@398.553,419.467 399.368,419.467 R104.2@400.179,418.657
N30258616: Q14.5 R105.2 R124.1 SW1UI5.1 | length 18
  TOP w0.127: SW1UI5.1@388.622,419.914 391.276,419.914 R105.2@391.289,419.902 391.301,419.914 392.178,419.914 392.813,420.549 396.877,420.549 397.512,419.914 397.512,418.771 397.766,418.517 ; Q14.5@398.553,418.517 397.766,418.517 ; R124.1@401.989,417.222 400.789,417.222 400.339,416.772 397.839,416.772 397.589,417.022 397.589,418.341 397.766,418.517
N30259742: Q12.5 Q13.5 R123.1 R124.2 | length 12.5
  TOP w0.127: Q12.5@398.553,410.643 398.553,410.659 398.539,410.672 397.864,410.672 397.539,410.997 397.539,414.472 397.774,414.707 ; Q13.5@398.553,414.707 397.774,414.707 ; R124.2@401.989,416.689 R123.1@401.989,416.022 400.589,416.022 400.289,416.322 397.889,416.322 397.539,415.972 397.539,414.942 397.774,414.707
N30303973: U42.C2 U44.2 | length 25.4
  TOP w0.127: v1(459.361,389.434) 459.361,389.307 460.758,387.91 460.758,384.1 460.377,383.719 460.377,382.068 460.508,381.937 U42.C2@460.889,381.937 ; v1(470.283,390.069) 470.537,390.323 473.077,390.323 473.585,389.815 473.585,389.053 473.077,388.545 U44.2@472.844,388.545
  BOTTOM w0.127: v1(459.361,389.434) 460.25,390.323 468.124,390.323 468.378,390.069 v1(470.283,390.069)
N30303977: U20.C1 U42.A1 | length 5.6
  TOP w0.127: v1(459.869,376.988) 460.129,377.248 U20.C1@460.657,377.248 ; v1(461.389,380.227) U42.A1@461.389,380.937
  BOTTOM w0.127: v1(459.869,376.988) 460.123,376.988 460.885,377.75 460.885,379.655 461.389,380.159 v1(461.389,380.227)
N30305120: U22.C2 U41.A1 | length 7.7
  TOP w0.127: v1(474.601,399.467) 474.605,399.471 U22.C2@475.089,399.471 ; v1(478.538,398.07) 478.542,398.066 U41.A1@478.542,397.423
  BOTTOM w0.127: v1(474.601,399.467) 475.363,399.467 475.744,399.848 478.665,399.848 479.3,399.213 479.3,398.832 v1(478.538,398.07)
N30305448: U25.C2 U40.A1 | length 5.5
  TOP w0.127: v1(474.474,395.149) 474.546,395.221 U25.C2@475.089,395.221 ; v1(478.538,394.895) 478.542,394.891 U40.A1@478.542,394.375
  BOTTOM w0.127: v1(474.474,395.149) 474.982,395.149 475.236,395.403 477.014,395.403 477.522,394.895 v1(478.538,394.895)
N30330904: C3.2 C47.1 CR6.1 CR7.1 R3.2 R80.2 U1.10 U1.11 U1.12 U1.13 | length 93.4
  TOP w0.3: R3.2@416.532,411.781 416.532,427.759 420.499,431.725 464.389,431.725 464.389,431.663 466.298,429.754 466.298,419.987 CR6.1@470.839,415.446 CR6.1@470.847,415.438 ; 472.583,414.814 472.589,414.819 472.589,415.638 R80.2@472.601,415.65 ; 474.089,416.221 475.254,416.221 475.288,416.188 C3.2@475.589,416.188 477.985,416.188 CR7.1@478.002,416.204 ; 475.01,413.529 475.016,413.523 475.016,412.377 475.319,412.073 U1.13@475.665,412.073 ; U1.12@476.364,412.769 476.364,413.387 ; U1.11@476.864,412.769 476.864,413.507 ; 477.153,413.541 477.364,413.33 U1.10@477.364,412.769
N30330984: C4.1 U1.9 | length 1.5
  TOP w0.3: U1.9@477.865,412.769 477.865,414.237 C4.1@477.902,414.274
N30331038: L1.1 U1.1 U1.2 U1.3 | length 2.3
  TOP w0.3: 476.361,409.178 U1.1@476.361,409.874 ; 476.861,409.084 U1.2@476.861,409.874 ; 477.362,409.074 U1.3@477.362,409.874
N30331073: C1.1 CR2.2 L1.2 R1.2 | length 2.4
  TOP w0.127: R1.2@471.462,411.068 471.462,410.705 472.797,409.37 472.797,409.19
N30331087: Q2.1 R3.1 | length 1.8
  TOP w0.127: Q2.1@415.819,410.063 415.819,411.601 R3.1@415.999,411.781

## Text inside footprints (layer, text, board x,y; h text height)
CR7: CONSTRUCTION "1" at 477.633,414.787 h1.02 r90; CONSTRUCTION "2" at 481.151,414.747 h1.02 r90; CONSTRUCTION "2" at 480.97,416.204 h0.2 r90; CONSTRUCTION "1" at 477.92,416.204 h0.2 r90; Top Overlay "1" at 478.083,414.872 h1.02 r90; Top Overlay "2" at 480.683,414.822 h1.02 r90
CR8: CONSTRUCTION "REV 2" at 486.671,382.107 h1.02; CONSTRUCTION "2" at 485.457,380.854 h0.2; CONSTRUCTION "1" at 485.457,383.902 h0.2
CR9: CONSTRUCTION "REV 2" at 484.368,392.645 h1.02 r270; CONSTRUCTION "2" at 484.985,395.729 h0.2 r270; CONSTRUCTION "1" at 488.033,395.729 h0.2 r270
DS1: CONSTRUCTION "REV1" at 409.276,402.03 h0.79 r180; CONSTRUCTION "1" at 410.604,401.561 h0.64 r270; CONSTRUCTION "2" at 409.493,401.612 h0.64 r270; Top Overlay "2" at 408.762,400.583 h1.02; Top Overlay "1" at 411.429,400.202 h1.02
DS2: CONSTRUCTION "REV1" at 420.223,392.098 h0.79 r180; CONSTRUCTION "2" at 420.44,391.681 h0.64 r270; CONSTRUCTION "1" at 421.551,391.63 h0.64 r270; Top Overlay "2" at 419.557,390.931 h1.02; Top Overlay "1" at 422.351,390.296 h1.02
DS3: CONSTRUCTION "REV1" at 413.226,402.822 h0.79 r90; CONSTRUCTION "2" at 413.814,403.611 h0.64 r180; CONSTRUCTION "1" at 413.763,402.499 h0.64 r180; Top Overlay "2" at 414.733,403.849 h1.02 r180; Top Overlay "1" at 414.782,402.506 h1.02 r180
EU1: CONSTRUCTION "REV 1" at 483.873,390.633 h1.02; CONSTRUCTION "11" at 485.318,392.609 h0.2 r180; CONSTRUCTION "6" at 486.967,391.61 h0.2 r90; CONSTRUCTION "5" at 484.007,391.61 h0.2 r270; CONSTRUCTION "8" at 486.967,392.609 h0.2 r90; CONSTRUCTION "7" at 486.967,392.11 h0.2 r90; CONSTRUCTION "10" at 486.804,393.609 h0.2 r90; CONSTRUCTION "4" at 484.007,392.11 h0.2 r270; CONSTRUCTION "9" at 486.967,393.109 h0.2 r90; CONSTRUCTION "3" at 484.007,392.609 h0.2 r270; CONSTRUCTION "1" at 484.007,393.609 h0.2 r270; CONSTRUCTION "2" at 484.007,393.109 h0.2 r270